# KiCad board SweetBusiness.kicad_pcb (continued)
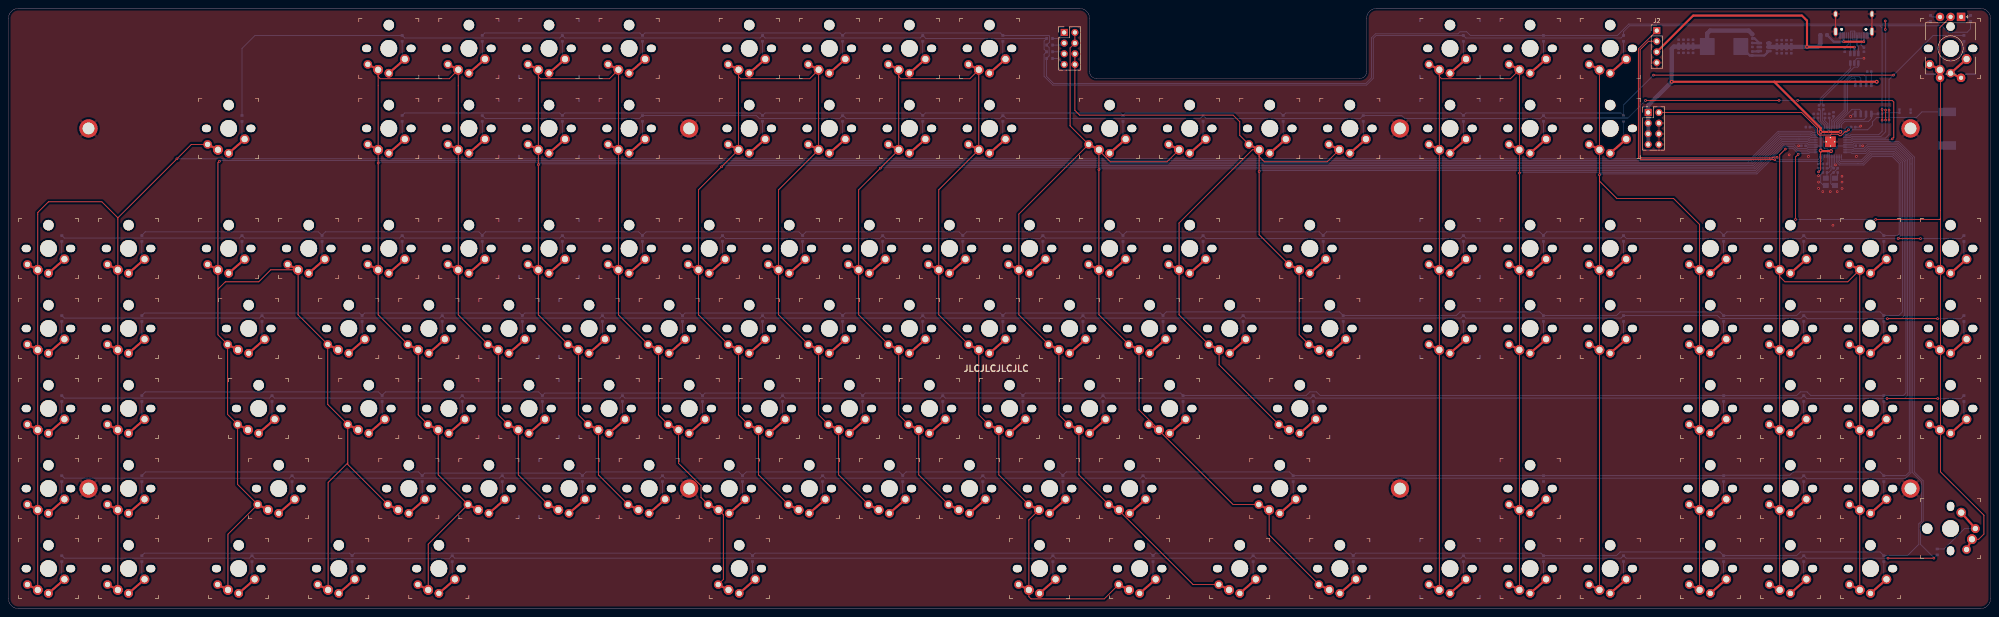
[diagram p0: board, top side]
## Routing (per net, layer and track width the routed paths; a pad name or vN(x,y) marks a point on that pad's centre or on a via; arc(x,y) is an arc through that point) (continued)
Net-(D40-Pad2): length 4.5
  Bottom w0.2: K40.2 246.06,83.82 D40.2
Net-(D41-Pad2): length 4.5
  Bottom w0.2: D41.2 265.11,83.82 K41.2
Net-(D42-Pad2): length 4.5
  Bottom w0.2: K42.2 284.16,83.82 D42.2
Net-(D43-Pad2): length 4.5
  Bottom w0.2: D43.2 312.74,83.82 K43.2
Net-(D44-Pad2): length 4.5
  Bottom w0.2: D44.2 346.07,83.82 K44.2
Net-(D45-Pad2): length 4.5
  Bottom w0.2: K45.2 365.12,83.82 D45.2
Net-(D46-Pad2): length 4.5
  Bottom w0.2: D46.2 384.18,83.82 K46.2
Net-(D47-Pad2): length 4.5
  Bottom w0.2: D47.2 407.99,83.82 K47.2
Net-(D48-Pad2): length 4.5
  Bottom w0.2: K48.2 427.04,83.82 D48.2
Net-(D49-Pad2): length 4.5
  Bottom w0.2: K49.2 446.09,83.82 D49.2
Net-(D50-Pad2): length 4.5
  Bottom w0.2: K50.2 465.14,83.82 D50.2
Net-(D51-Pad2): length 4.5
  Bottom w0.2: D51.2 12.7,64.77 K51.2
Net-(D52-Pad2): length 4.5
  Bottom w0.2: D52.2 31.75,64.77 K52.2
Net-(D53-Pad2): length 4.5
  Bottom w0.2: K53.2 60.33,64.77 D53.2
Net-(D54-Pad2): length 4.5
  Bottom w0.2: D54.2 84.14,64.77 K54.2
Net-(D55-Pad2): length 4.5
  Bottom w0.2: D55.2 103.19,64.77 K55.2
Net-(D56-Pad2): length 4.5
  Bottom w0.2: D56.2 122.24,64.77 K56.2
Net-(D57-Pad2): length 4.5
  Bottom w0.2: K57.2 141.29,64.77 D57.2
Net-(D58-Pad2): length 4.5
  Bottom w0.2: D58.2 160.34,64.77 K58.2
Net-(D59-Pad2): length 4.5
  Bottom w0.2: D59.2 179.39,64.77 K59.2
Net-(D60-Pad2): length 4.5
  Bottom w0.2: D60.2 198.44,64.77 K60.2
Net-(D61-Pad2): length 4.5
  Bottom w0.2: K61.2 217.49,64.77 D61.2
Net-(D62-Pad2): length 4.5
  Bottom w0.2: K62.2 236.54,64.77 D62.2
Net-(D63-Pad2): length 4.5
  Bottom w0.2: D63.2 255.59,64.77 K63.2
Net-(D64-Pad2): length 4.5
  Bottom w0.2: K64.2 274.64,64.77 D64.2
Net-(D65-Pad2): length 4.5
  Bottom w0.2: D65.2 293.69,64.77 K65.2
Net-(D66-Pad2): length 4.5
  Bottom w0.2: D66.2 317.5,64.77 K66.2
Net-(D67-Pad2): length 4.5
  Bottom w0.2: K67.2 346.07,64.77 D67.2
Net-(D68-Pad2): length 4.5
  Bottom w0.2: K68.2 365.12,64.77 D68.2
Net-(D69-Pad2): length 4.5
  Bottom w0.2: K69.2 384.18,64.77 D69.2
Net-(D70-Pad2): length 4.5
  Bottom w0.2: D70.2 407.99,64.77 K70.2
Net-(D71-Pad2): length 4.5
  Bottom w0.2: K71.2 427.04,64.77 D71.2
Net-(D72-Pad2): length 4.5
  Bottom w0.2: K72.2 446.09,64.77 D72.2
Net-(D73-Pad2): length 4.5
  Bottom w0.2: K73.2 465.14,64.77 D73.2
Net-(D74-Pad2): length 4.5
  Bottom w0.2: K74.2 12.7,45.72 D74.2
Net-(D75-Pad2): length 4.5
  Bottom w0.2: D75.2 31.75,45.72 K75.2
Net-(D76-Pad2): length 4.5
  Bottom w0.2: K76.2 62.71,45.72 D76.2
Net-(D77-Pad2): length 4.5
  Bottom w0.2: D77.2 88.9,45.72 K77.2
Net-(D78-Pad2): length 4.5
  Bottom w0.2: D78.2 107.95,45.72 K78.2
Net-(D79-Pad2): length 4.5
  Bottom w0.2: K79.2 127,45.72 D79.2
Net-(D80-Pad2): length 4.5
  Bottom w0.2: K80.2 146.05,45.72 D80.2
Net-(D81-Pad2): length 4.5
  Bottom w0.2: D81.2 165.1,45.72 K81.2
Net-(D82-Pad2): length 4.5
  Bottom w0.2: K82.2 184.15,45.72 D82.2
Net-(D83-Pad2): length 4.5
  Bottom w0.2: D83.2 203.2,45.72 K83.2
Net-(D84-Pad2): length 4.5
  Bottom w0.2: K84.2 222.25,45.72 D84.2
Net-(D85-Pad2): length 4.5
  Bottom w0.2: K85.2 241.3,45.72 D85.2
Net-(D86-Pad2): length 4.5
  Bottom w0.2: D86.2 260.35,45.72 K86.2
Net-(D87-Pad2): length 4.5
  Bottom w0.2: D87.2 279.4,45.72 K87.2
Net-(D88-Pad2): length 4.5
  Bottom w0.2: D88.2 310.36,45.72 K88.2
Net-(D89-Pad2): length 4.5
  Bottom w0.2: K89.2 407.99,45.72 D89.2
Net-(D90-Pad2): length 4.5
  Bottom w0.2: D90.2 427.04,45.72 K90.2
Net-(D91-Pad2): length 4.5
  Bottom w0.2: D91.2 446.09,45.72 K91.2
Net-(D92-Pad2): length 4.5
  Bottom w0.2: K92.2 465.14,45.72 D92.2
Net-(D93-Pad2): length 4.5
  Bottom w0.2: K93.2 12.7,26.67 D93.2
Net-(D94-Pad2): length 4.5
  Bottom w0.2: K94.2 31.75,26.67 D94.2
Net-(D95-Pad2): length 4.5
  Bottom w0.2: D95.2 67.47,26.67 K95.2
Net-(D96-Pad2): length 4.5
  Bottom w0.2: D96.2 98.43,26.67 K96.2
Net-(D97-Pad2): length 4.5
  Bottom w0.2: K97.2 117.47,26.67 D97.2
Net-(D98-Pad2): length 4.5
  Bottom w0.2: K98.2 136.53,26.67 D98.2
Net-(D99-Pad2): length 4.5
  Bottom w0.2: D99.2 155.57,26.67 K99.2
Net-(D100-Pad2): length 4.5
  Bottom w0.2: K100.2 174.62,26.67 D100.2
Net-(D101-Pad2): length 4.5
  Bottom w0.2: D101.2 193.68,26.67 K101.2
Net-(D102-Pad2): length 4.5
  Bottom w0.2: D102.2 212.73,26.67 K102.2
Net-(D103-Pad2): length 4.5
  Bottom w0.2: K103.2 231.77,26.67 D103.2
Net-(D104-Pad2): length 4.5
  Bottom w0.2: D104.2 250.82,26.67 K104.2
Net-(D105-Pad2): length 4.5
  Bottom w0.2: D105.2 269.88,26.67 K105.2
Net-(D106-Pad2): length 4.5
  Bottom w0.2: K106.2 305.59,26.67 D106.2
Net-(D108-Pad2): length 4.5
  Bottom w0.2: K108.2 407.99,26.67 D108.2
Net-(D109-Pad2): length 4.5
  Bottom w0.2: D109.2 427.04,26.67 K109.2
Net-(D110-Pad2): length 4.5
  Bottom w0.2: K110.2 446.09,26.67 D110.2
Net-(D111-Pad2): length 4.5
  Bottom w0.2: K111.2 12.7,7.62 D111.2
Net-(D112-Pad2): length 4.5
  Bottom w0.2: D112.2 31.75,7.62 K112.2
Net-(D113-Pad2): length 4.5
  Bottom w0.2: K113.2 57.94,7.62 D113.2
Net-(D114-Pad2): length 4.5
  Bottom w0.2: D114.2 81.76,7.62 K114.2
Net-(D115-Pad2): length 4.5
  Bottom w0.2: K115.2 105.57,7.62 D115.2
Net-(D116-Pad2): length 4.5
  Bottom w0.2: D116.2 177.01,7.62 K116.2
Net-(D117-Pad2): length 4.5
  Bottom w0.2: D117.2 248.44,7.62 K117.2
Net-(D118-Pad2): length 4.5
  Bottom w0.2: K118.2 272.26,7.62 D118.2
Net-(D119-Pad2): length 4.5
  Bottom w0.2: D119.2 296.07,7.62 K119.2
Net-(D120-Pad2): length 4.5
  Bottom w0.2: K120.2 319.88,7.62 D120.2
Net-(D121-Pad2): length 4.5
  Bottom w0.2: D121.2 346.07,7.62 K121.2
Net-(D122-Pad2): length 4.5
  Bottom w0.2: K122.2 365.12,7.62 D122.2
Net-(D123-Pad2): length 4.5
  Bottom w0.2: K123.2 384.18,7.62 D123.2
Net-(D124-Pad2): length 4.5
  Bottom w0.2: D124.2 407.99,7.62 K124.2
Net-(D125-Pad2): length 4.5
  Bottom w0.2: K125.2 427.04,7.62 D125.2
Net-(D126-Pad2): length 4.5
  Bottom w0.2: K126.2 446.09,7.62 D126.2
Net-(D127-Pad2): length 11.1
  Bottom w0.2: D127.2 460.42,14.19 465.28,19.05 K127.2
Net-(DR1-Pad2): length 4.5
  Bottom w0.2: DR1.2 465.14,131.45 RX1.2
Net-(DR2-Pad2): length 2.4
  Bottom w0.2: DR2.2 466.38,140.85 RX1.A
Net-(DR3-Pad2): length 2.4
  Bottom w0.2: DR3.2 457.54,140.85 RX1.B
Net-(DT1-Pad2): length 3.4
  Bottom w0.2: DT1.2 249.72,135.73 J1.1
Net-(DT2-Pad2): length 3
  Bottom w0.2: J1.3 250.67,134.14 DT2.2
Net-(DT3-Pad2): length 3
  Bottom w0.2: J1.5 250.65,132.56 DT3.2
Net-(DT4-Pad2): length 3.4
  Bottom w0.2: DT4.2 249.7,130.97 J1.7
Net-(J4-PadA5): length 3.3
  Bottom w0.2: J4.A5 437.69,134.43 RC2.1
Net-(J4-PadB5): length 3.2
  Bottom w0.2: RC1.2 440.69,134.18 J4.B5
Net-(RD1-Pad2): length 4.8
  Bottom w0.2: RD1.2 431.45,118.58 431.45,116.19 432.39,115.26 U0.47
Net-(RD2-Pad2): length 4.8
  Bottom w0.2: RD2.2 431.05,118.47 431.05,116.03 431.99,115.09 U0.46
Net-(RF1-Pad2): length 5
  Bottom w0.2: S1.2 S1.2 445.91,118.05 RF1.2
Net-(RP1-Pad2): length 3.8
  Bottom w0.5: RP1.2 415.37,135.72 U1.3 414.86,134.62 RP2.1
Net-(RR1-Pad2): length 2.3
  Bottom w0.2: U0.26 431.59,106.86 RR1.2

## Copper pours and planes (outline as drawn; the poured copper is in the pictures)
GND on Top: 471.49,0 0,0 0,142.88 471.49,142.88
GND on Bottom: 471.48,0.01 0,0.01 0,142.88 471.48,142.88

## Text on the board
F.Silkscreen: JLCJLCJLCJLC
